# Altium PCB VCU_PCB.PcbDoc
Units mm, origin at the board's own origin, x right, y up, seen from the top; angles counter-clockwise.
Board outline 94 x 87 mm, 4 copper layers (Top Layer, Layer 1, Layer 2, Bottom Layer), stack 0.603 mm thick; 130 components, 89 nets, 417 pads, 70 vias.
Unrouted connection lines stored in the file: 2.
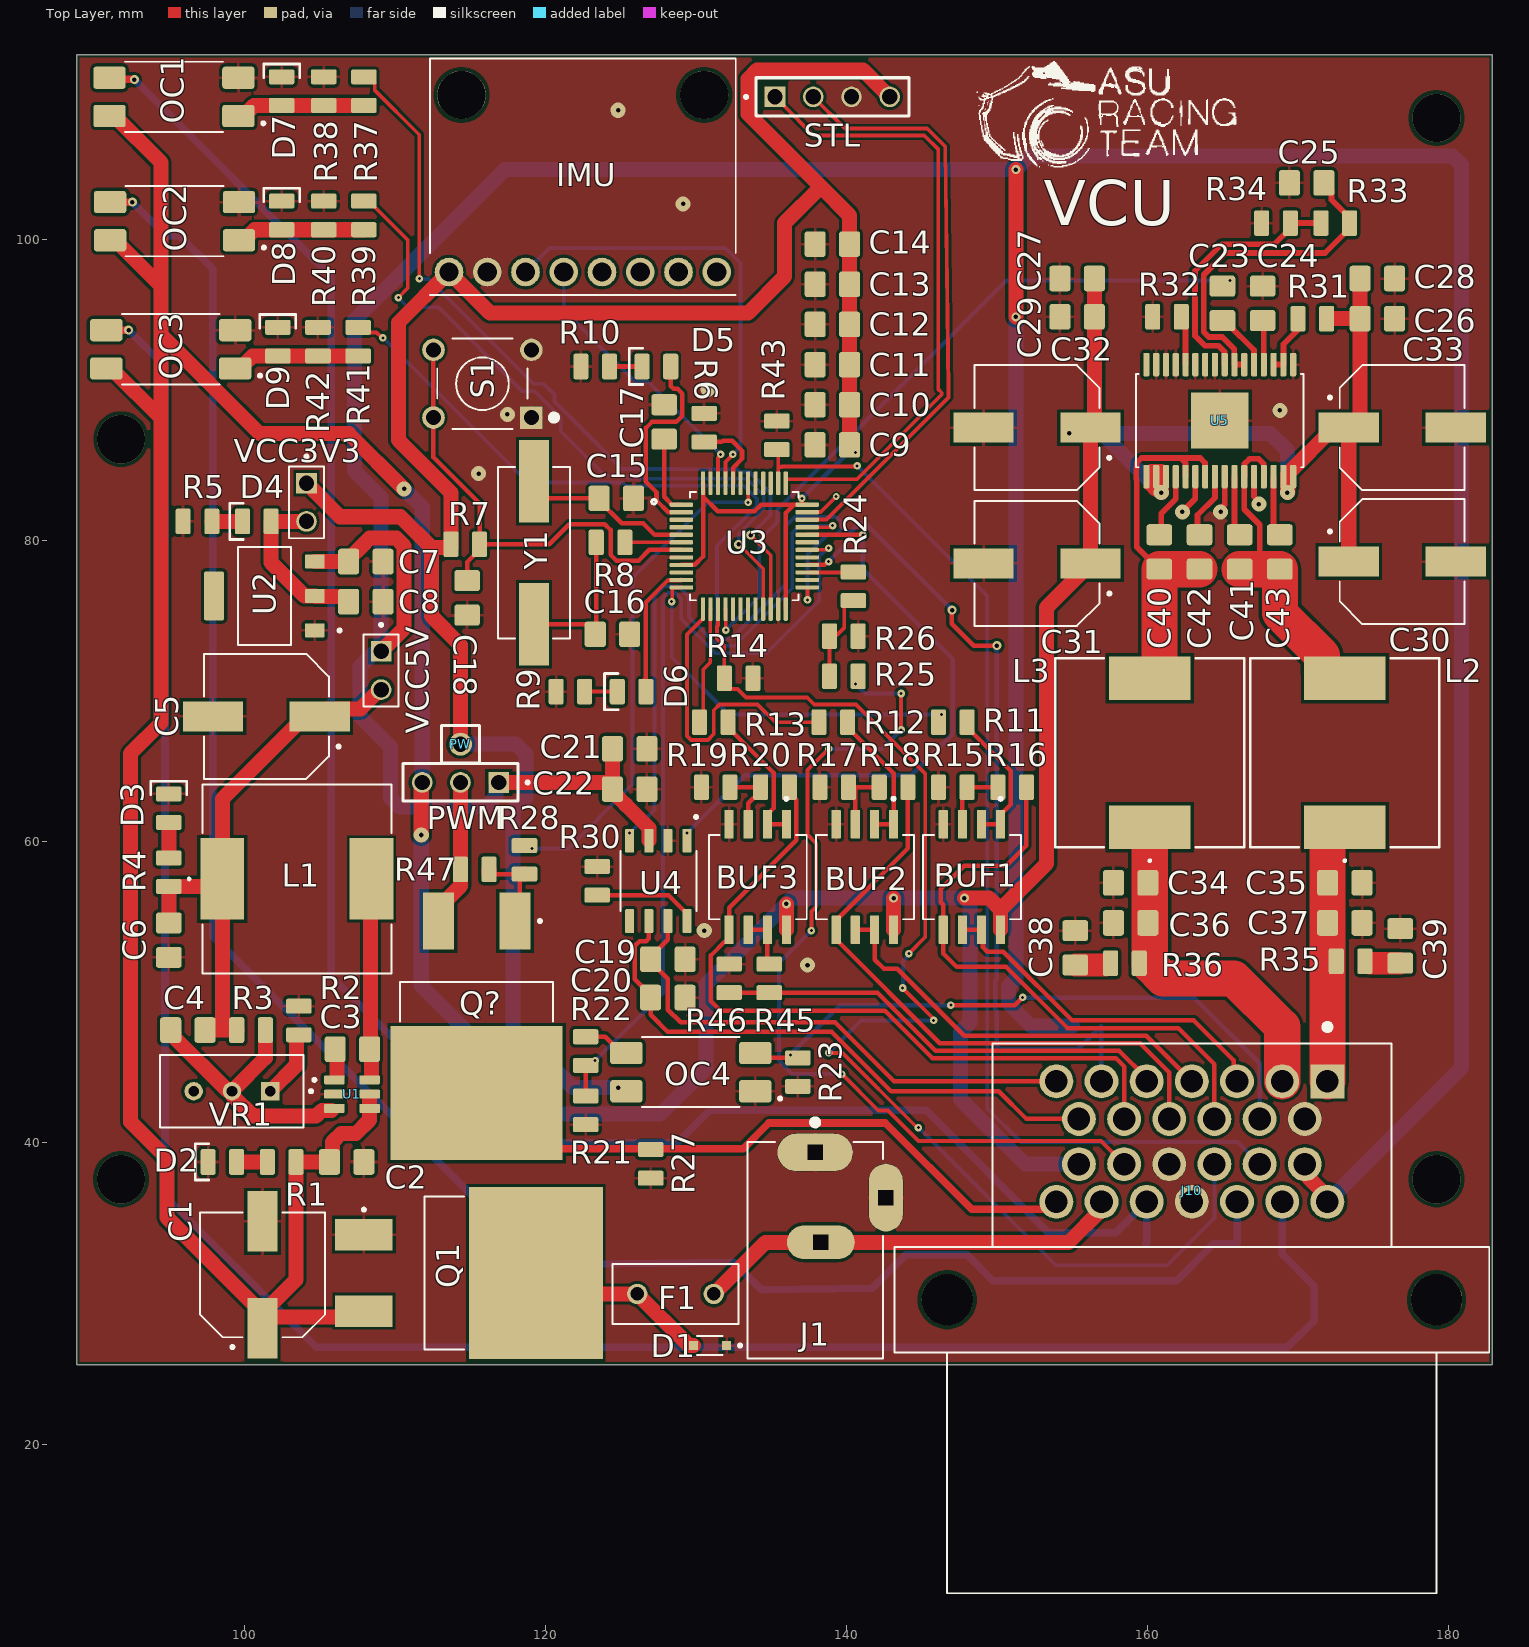
[diagram p0: Top Layer view]
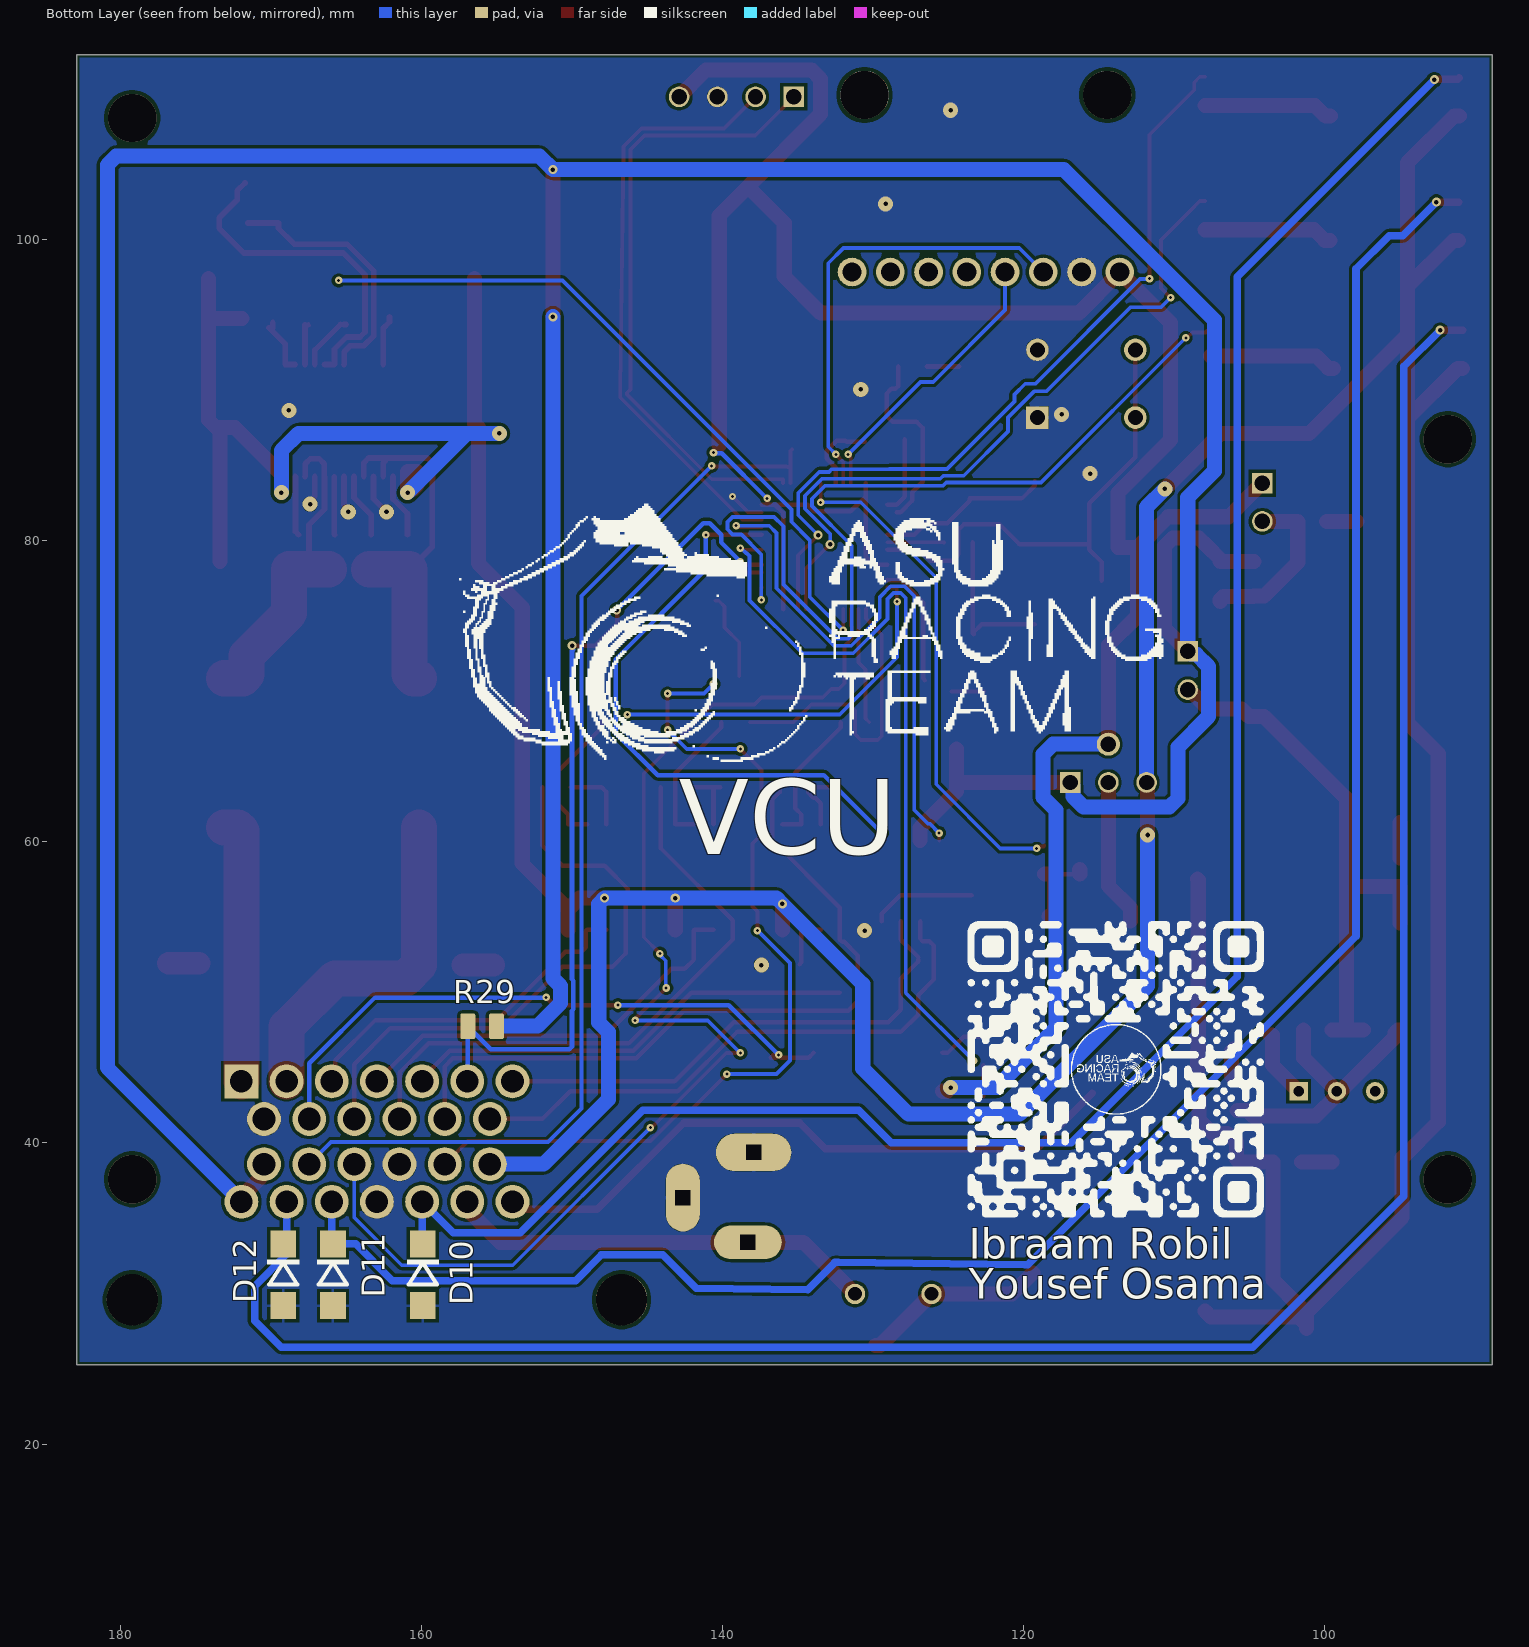
[diagram p1: Bottom Layer view, seen from below]
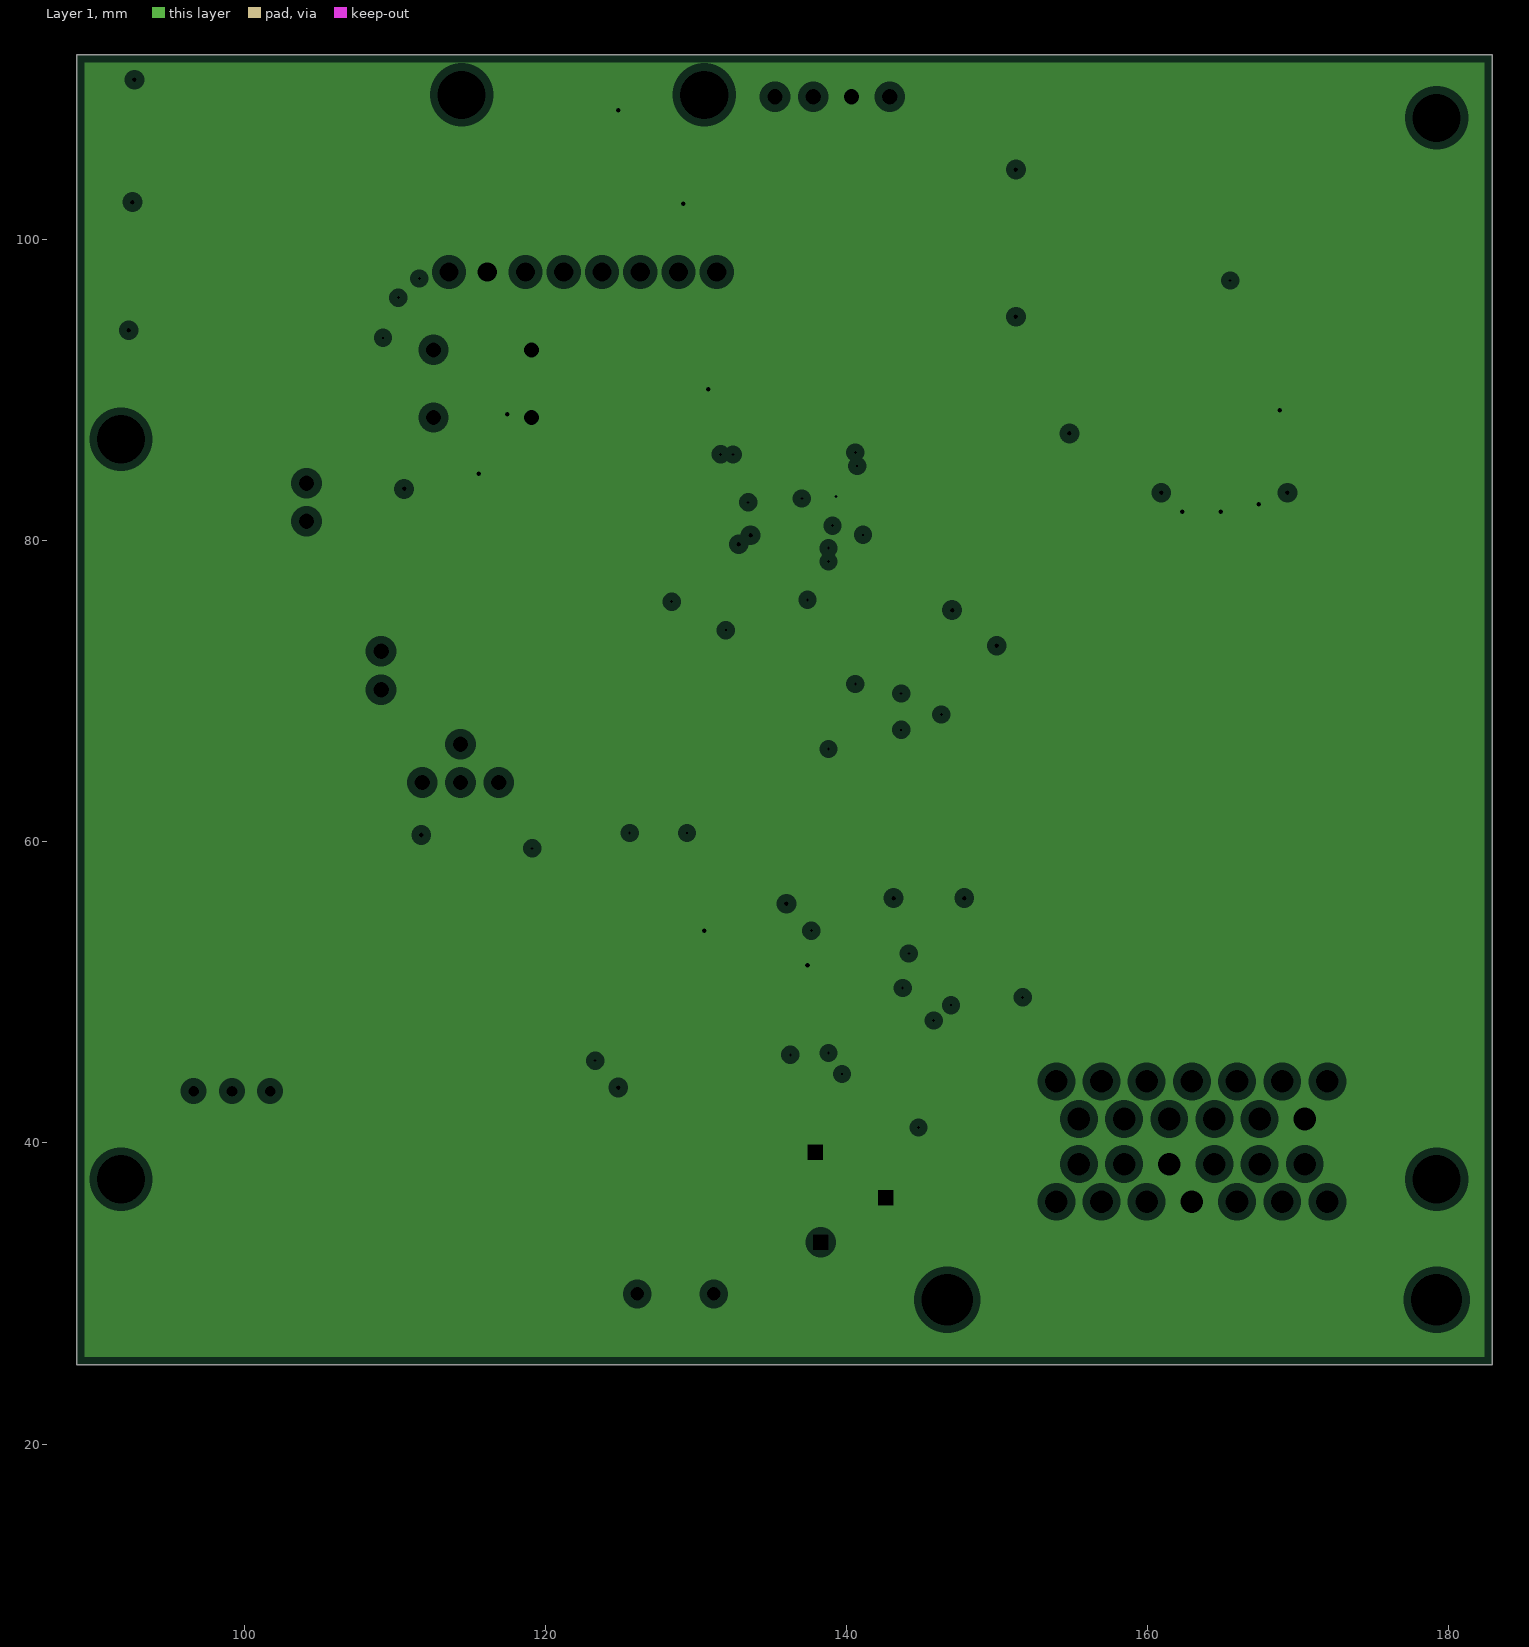
[diagram p2: Layer 1, clearances drawn from the general rule]
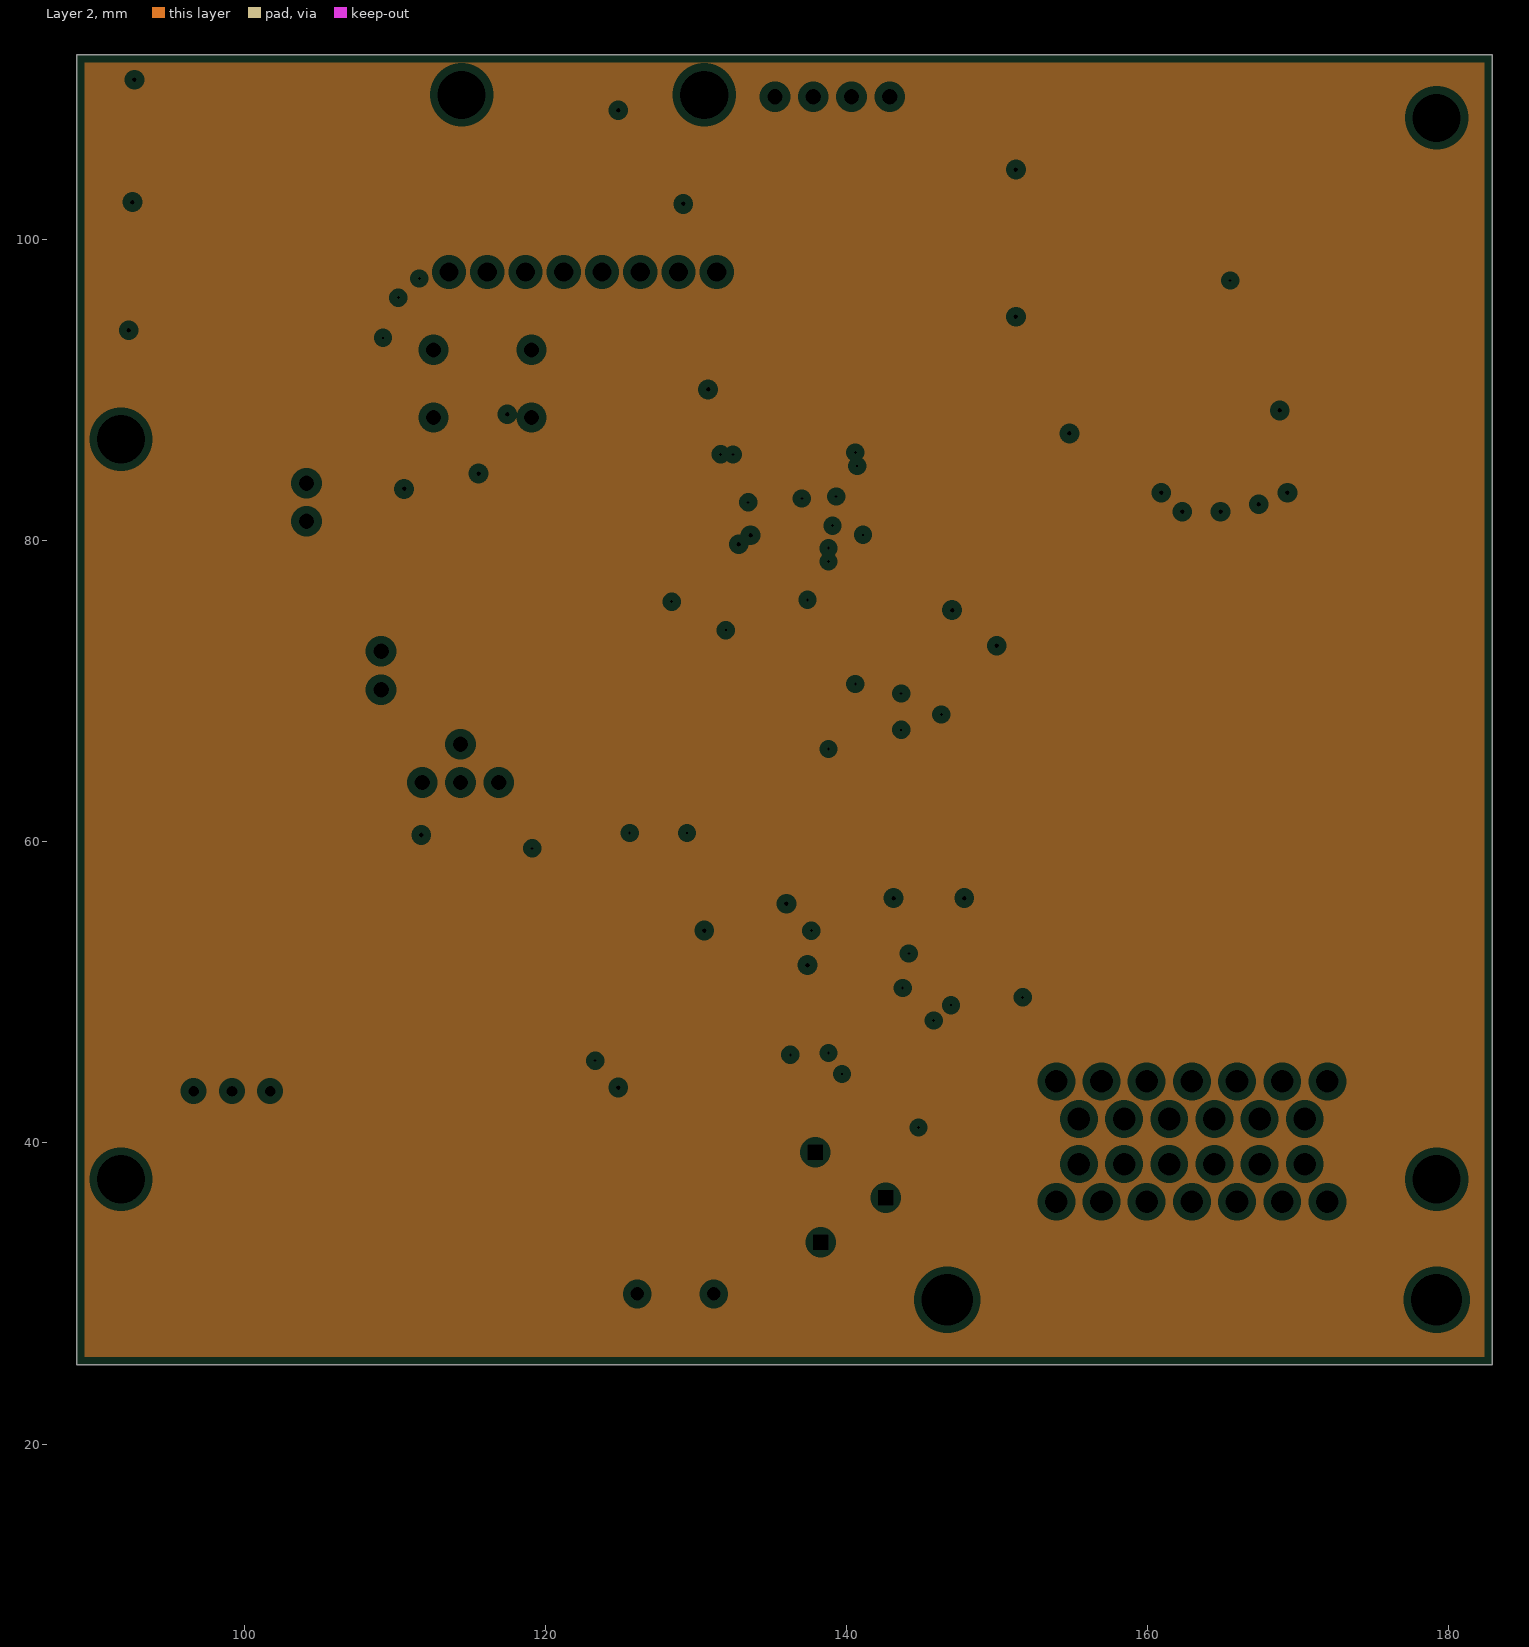
[diagram p3: Layer 2, clearances drawn from the general rule]
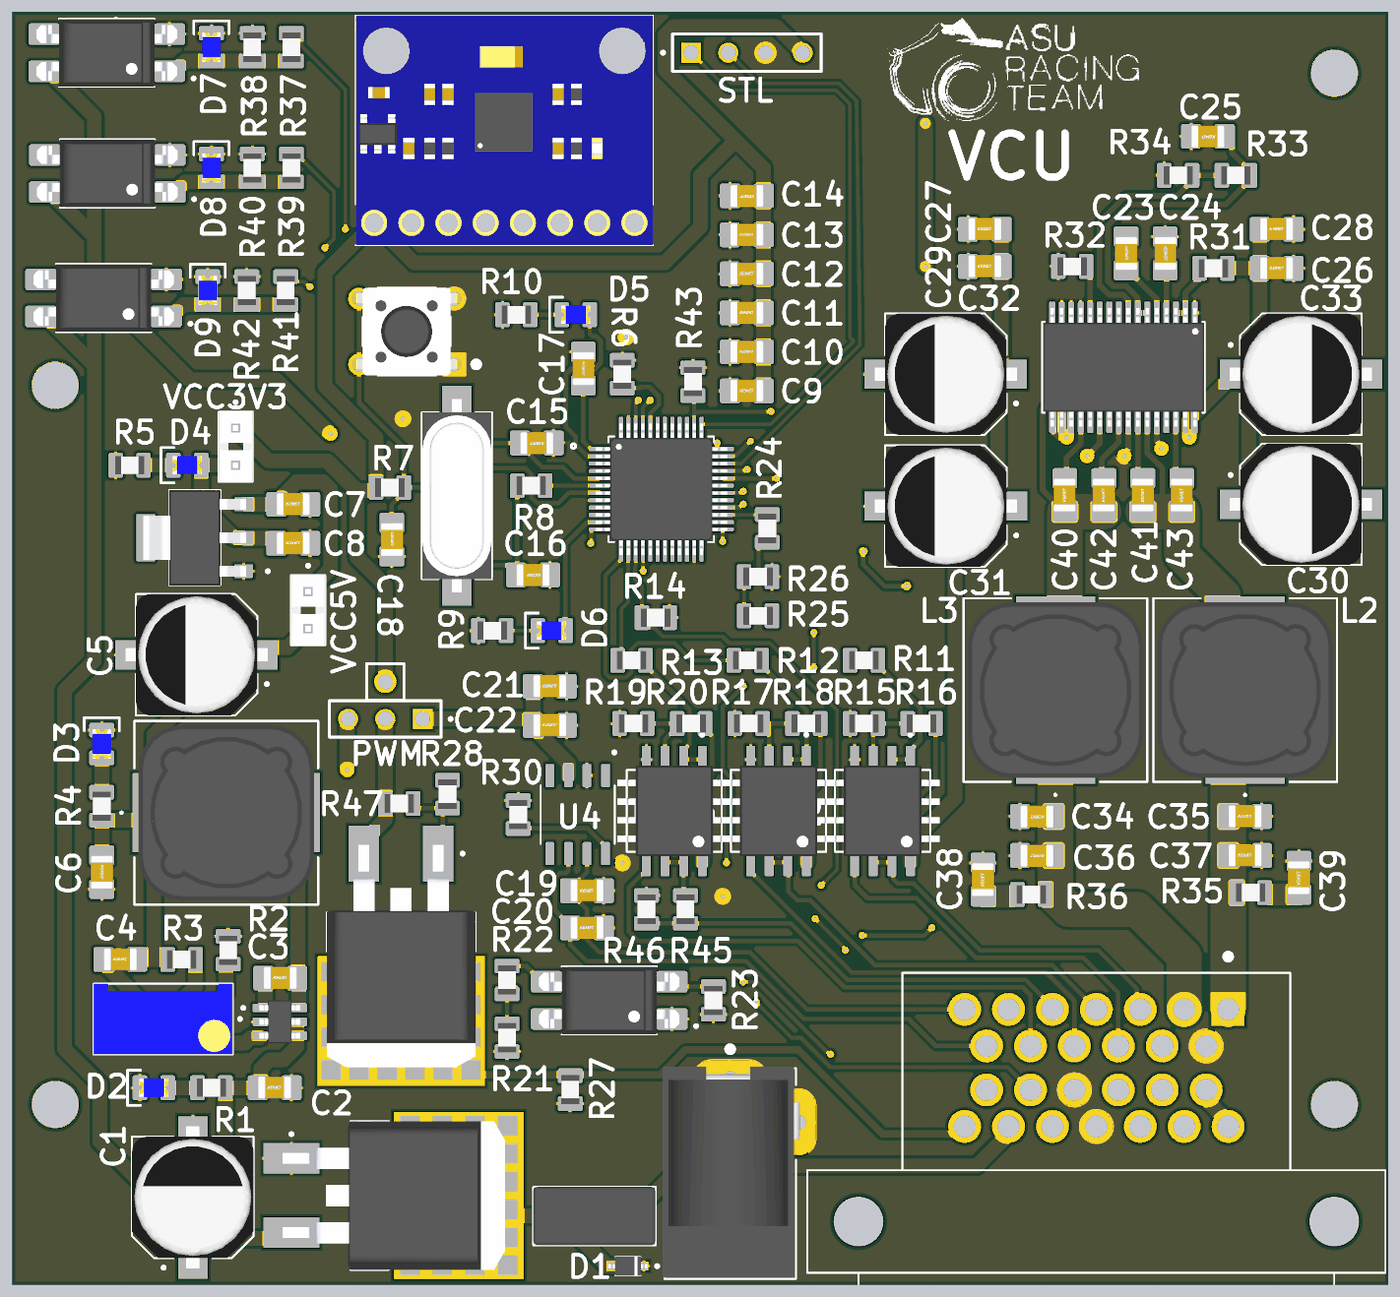
[diagram p4: 3D render of the assembled board from above, using the file's embedded part models]

## Layer stack, top to bottom
Top Solder: solder mask 0.0102, Solder Resist, Dk 4
Top Layer: signal copper 0.0356
Dielectric 2: prepreg 0.0711, PP-006, Dk 4.1
Layer 1: plane copper 0.035, net GND
Dielectric 1: dielectric 0.32, FR-4, Dk 4.8
Layer 2: plane copper 0.035, net GND
Dielectric 3: prepreg 0.0711, PP-006, Dk 4.1
Bottom Layer: signal copper 0.0356
Bottom Solder: solder mask 0.0102, Solder Resist, Dk 4

## Board outline
88.88,25.273 88.88,112.273 182.88,112.273 182.88,25.273

## Design rules (kind name [scope] priority, off if disabled: settings)
BoardOutlineClearance [All] p1: gap=0.2 ignorepadtopadclearanceinfootprint=FALSE
Clearance ClearanceMidLayer1 [OnLayer('Mid Layer 1') Or IsVia Or IsThruPin vs OnLayer('Mid Layer 1')] p1: gap=0.102 ignorepadtopadclearanceinfootprint=FALSE except(0.127: Arc-Via Track-Via SMDPad-Via THPad-Via Via-Via Via-Fill Via-Poly Via-Region Via-Text; 0.25: Arc-Hole Track-Hole SMDPad-Hole THPad-Hole Via-Hole Fill-Hole Poly-Hole Region-Hole Text-Hole)
Clearance ClearanceTopLayer [OnLayer('Top Layer') Or IsVia Or IsThruPin vs OnLayer('Top Layer') Or IsVia Or IsThruPin] p2: gap=0.203 ignorepadtopadclearanceinfootprint=FALSE except(0.25: Arc-Hole Track-Hole SMDPad-Hole THPad-Hole Via-Hole Fill-Hole Poly-Hole Region-Hole Text-Hole)
Clearance ClearanceBottomLayer [OnLayer('Bottom Layer') Or IsVia Or IsThruPin vs OnLayer('Bottom Layer') Or IsVia Or IsThruPin] p3: gap=0.203 ignorepadtopadclearanceinfootprint=FALSE except(0.25: Arc-Hole Track-Hole SMDPad-Hole THPad-Hole Via-Hole Fill-Hole Poly-Hole Region-Hole Text-Hole)
Clearance ClearanceMidLayer2 [OnLayer('Mid Layer 2') Or IsVia Or IsThruPin vs OnLayer('Mid Layer 2')] p4: gap=0.102 ignorepadtopadclearanceinfootprint=FALSE except(0.127: Arc-Via Track-Via SMDPad-Via THPad-Via Via-Via Via-Fill Via-Poly Via-Region Via-Text; 0.25: Arc-Hole Track-Hole SMDPad-Hole THPad-Hole Via-Hole Fill-Hole Poly-Hole Region-Hole Text-Hole)
ComponentClearance [All] p1: gap=0.102 collisioncheckmode=3 verticalgap=0.102 showdistances=TRUE
DiffPairsRouting [All] p1: maxlimit=0.203 minlimit=0.203 mostfreqgap=0.203 toplayer_minwidth=0.203 toplayer_maxwidth=1816.048 toplayer_prefwidth=0.203 bottomlayer_minwidth=0.203 bottomlayer_maxwidth=1816.048 bottomlayer_prefwidth=0.203 maxuncoupledlength=12.7
Height [All] p1: minheight=0 maxheight=1816.048 prefheight=12.7
HoleSize [All] p1: absolutevalues=TRUE maxlimit=6.3 minlimit=0.2 maxpercent=80.000 minpercent=20.000
HoleToHoleClearance [All] p1: gap=0.25 allowstackedmicrovias=FALSE
MinimumAnnularRing [All] p1: minimumring=0.076
MinimumSolderMaskSliver [All] p1: minsoldermaskwidth=0
PlaneClearance PlaneClearanceMidLayer1 [OnLayer('Mid Layer 1')] p1: clearance=0.102
PlaneClearance PlaneClearanceMidLayer2 [OnLayer('Mid Layer 2')] p2: clearance=0.102
PlaneClearance PlaneClearanceTopLayer [OnLayer('Top Layer')] p3: clearance=0.203
PlaneClearance PlaneClearanceBottomLayer [OnLayer('Bottom Layer')] p4: clearance=0.203
PlaneConnect PlaneConnectPowerPads [InPadClass('PowerPads')] p1: planeconnectstyle=Direct reliefexpansion=0.508 reliefentries=4 reliefconductorwidth=0.254 reliefairgap=0.254
PlaneConnect PlaneConnectTopLayer [OnLayer('Top Layer')] p2: pad.planeconnectstyle=Relief pad.reliefexpansion=0.3 pad.reliefentries=4 pad.reliefconductorwidth=0.203 pad.reliefairgap=0.203 via.planeconnectstyle=Direct via.reliefexpansion=0.3 via.reliefentries=4 via.reliefconductorwidth=0.127 via.reliefairgap=0.127
PlaneConnect PlaneConnectBottomLayer [OnLayer('Bottom Layer')] p3: pad.planeconnectstyle=Relief pad.reliefexpansion=0.3 pad.reliefentries=4 pad.reliefconductorwidth=0.203 pad.reliefairgap=0.203 via.planeconnectstyle=Direct via.reliefexpansion=0.3 via.reliefentries=4 via.reliefconductorwidth=0.127 via.reliefairgap=0.127
PlaneConnect PlaneConnectMidLayer1 [OnLayer('Mid Layer 1')] p4: pad.planeconnectstyle=Relief pad.reliefexpansion=0.3 pad.reliefentries=4 pad.reliefconductorwidth=0.102 pad.reliefairgap=0.102 via.planeconnectstyle=Direct via.reliefexpansion=0.3 via.reliefentries=4 via.reliefconductorwidth=0.127 via.reliefairgap=0.127
PlaneConnect PlaneConnectMidLayer2 [OnLayer('Mid Layer 2')] p5: pad.planeconnectstyle=Relief pad.reliefexpansion=0.3 pad.reliefentries=4 pad.reliefconductorwidth=0.102 pad.reliefairgap=0.102 via.planeconnectstyle=Direct via.reliefexpansion=0.3 via.reliefentries=4 via.reliefconductorwidth=0.127 via.reliefairgap=0.127
PolygonConnect PolygonConnectPowerPads [All vs (InPadClass('PowerPads'))] p1: connectstyle=Direct reliefconductorwidth=0.254 reliefentries=4 polygonreliefangle="90 Angle" airgapwidth=0.254
PolygonConnect PolygonConnectMidLayer1 [OnLayer('Mid Layer 1') vs OnLayer('Mid Layer 1')] p2: thpad.connectstyle=Relief thpad.reliefconductorwidth=0.102 thpad.reliefentries=4 thpad.polygonreliefangle="90 Angle" thpad.airgapwidth=0.102 smdpad.connectstyle=Relief smdpad.reliefconductorwidth=0.102 smdpad.reliefentries=4 smdpad.polygonreliefangle="90 Angle" smdpad.airgapwidth=0.102 via.connectstyle=Direct via.reliefconductorwidth=0.127 via.reliefentries=4 via.polygonreliefangle="90 Angle" via.airgapwidth=0.127
PolygonConnect PolygonConnectMidLayer2 [OnLayer('Mid Layer 2') vs OnLayer('Mid Layer 2')] p3: thpad.connectstyle=Relief thpad.reliefconductorwidth=0.102 thpad.reliefentries=4 thpad.polygonreliefangle="90 Angle" thpad.airgapwidth=0.102 smdpad.connectstyle=Relief smdpad.reliefconductorwidth=0.102 smdpad.reliefentries=4 smdpad.polygonreliefangle="90 Angle" smdpad.airgapwidth=0.102 via.connectstyle=Direct via.reliefconductorwidth=0.127 via.reliefentries=4 via.polygonreliefangle="90 Angle" via.airgapwidth=0.127
PolygonConnect PolygonConnectTopLayer [OnLayer('Top Layer') vs OnLayer('Top Layer')] p4: thpad.connectstyle=Relief thpad.reliefconductorwidth=0.203 thpad.reliefentries=4 thpad.polygonreliefangle="90 Angle" thpad.airgapwidth=0.203 smdpad.connectstyle=Relief smdpad.reliefconductorwidth=0.203 smdpad.reliefentries=4 smdpad.polygonreliefangle="90 Angle" smdpad.airgapwidth=0.203 via.connectstyle=Direct via.reliefconductorwidth=0.127 via.reliefentries=4 via.polygonreliefangle="90 Angle" via.airgapwidth=0.127
PolygonConnect PolygonConnectBottomLayer [OnLayer('Bottom Layer') vs OnLayer('Bottom Layer')] p5: thpad.connectstyle=Relief thpad.reliefconductorwidth=0.203 thpad.reliefentries=4 thpad.polygonreliefangle="90 Angle" thpad.airgapwidth=0.203 smdpad.connectstyle=Relief smdpad.reliefconductorwidth=0.203 smdpad.reliefentries=4 smdpad.polygonreliefangle="90 Angle" smdpad.airgapwidth=0.203 via.connectstyle=Direct via.reliefconductorwidth=0.127 via.reliefentries=4 via.polygonreliefangle="90 Angle" via.airgapwidth=0.127
RoutingVias [All] p1: holewidth=0.2 width=0.45 viastyle="Through Hole" minholewidth=0.2 minwidth=0.45 maxholewidth=6.3 maxwidth=6.55
SilkToSilkClearance [All] p1: silktosilkclearance=0
SilkToSolderMaskClearance [IsPad] p1: minsilkscreentomaskgap=0.102 clearancetoexposedcopper=TRUE
SolderMaskExpansion [All] p1: expansion=0.075 istentingtop=FALSE
Width [All] p1: maxlimit=1816.048 minlimit=0.203 preferedwidth=0.203 minimp=50.000000 maximp=50.000000 favimp=50.000000
20 further rules are at their usual default settings.

## Components (designator, comment, footprint, x,y, rotation, side; value= is the part's Value field where it differs from the comment)
BUF1 "LM358PSR" SOIC127P780X200-8N 148.336,57.658 r270 top
BUF2 "LM358PSR" SOIC127P780X200-8N 141.224,57.658 r270 top
BUF3 "LM358PSR" SOIC127P780X200-8N 134.112,57.658 r270 top
C1 "270uF 35V" CAP_EEEFT1E471AP 101.219,31.242 r90 top
C2 "100nF" CAP_0805 106.807,38.735 r0 top
C3 "22nF" CAP_0805 107.188,46.228 r0 top
C4 "22uF" CAP_0805 96.266,47.498 r0 top
C5 "470uF 35V" CAP_EEEFT1E471AP 101.473,68.326 r180 top
C6 "100nF" CAP_0805 94.996,53.467 r270 top
C7 "2.2uF" CAP_0805 108.077,78.613 r0 top
C8 "2.2uF" CAP_0805 108.077,75.946 r0 top
C9 "100nF" CAP_0805 139.065,86.36 r0 top
C10 "100nF" CAP_0805 139.065,89.027 r0 top
C11 "100nF" CAP_0805 139.065,91.694 r0 top
C12 "100nF" CAP_0805 139.065,94.361 r0 top
C13 "100nF" CAP_0805 139.065,97.028 r0 top
C14 "2.2uF" CAP_0805 139.065,99.695 r180 top
C15 "100nF" CAP_0805 124.714,82.804 r180 top
C16 "100nF" CAP_0805 124.46,73.787 r180 top
C17 "100nF" CAP_0805 127.889,87.884 r270 top
C18 "100nF" CAP_0805 114.808,76.2 r270 top
C19 "20pF" CAP_0805 128.143,52.197 r0 top
C20 "20pF" CAP_0805 128.143,49.657 r0 top
C21 "100nF" CAP_0805 125.603,66.167 r0 top
C22 "100nF" CAP_0805 125.603,63.5 r0 top
C23 "1uF" CAP_0805 164.973,95.758 r270 top
C24 "1uF" CAP_0805 167.64,95.758 r270 top
C25 "1uF" CAP_0805 170.561,103.759 r180 top
C26 "1nF" CAP_0805 175.26,94.742 r0 top
C27 "1nF" CAP_0805 155.321,97.409 r0 top
C28 "100nF" CAP_0805 175.26,97.409 r0 top
C29 "100nF" CAP_0805 155.321,94.869 r0 top
C30 "220uF 35V" CAP_EEEFT1E471AP 176.911,78.613 r0 top
C31 "330uF 35V" CAP_EEEFT1E471AP 152.66,78.486 r180 top
C32 "220uF 35V" CAP_EEEFT1E471AP 152.654,87.503 r180 top
C33 "330uF 35V" CAP_EEEFT1E471AP 176.911,87.503 r0 top
C34 "1uF" CAP_0805 158.877,57.277 r180 top
C35 "1uF" CAP_0805 173.101,57.277 r0 top
C36 "1nF" CAP_0805 158.877,54.61 r180 top
C37 "1nF" CAP_0805 173.101,54.61 r0 top
C38 "10nF" CAP_0805 155.194,52.959 r90 top
C39 "10nF" CAP_0805 176.784,53.086 r90 top
C40 "220nF" CAP_0805 160.782,79.248 r90 top
C41 "220nF" CAP_0805 166.116,79.248 r90 top
C42 "220nF" CAP_0805 163.449,79.248 r90 top
C43 "220nF" CAP_0805 168.783,79.248 r90 top
D1 "PESD1LIN" DIO_PESD1LIN 130.937,26.543 r180 top
D2 "BLUE" LED_0805_BLUE 98.552,38.735 r0 top
D3 "BLUE" LED_0805_BLUE 94.996,62.23 r270 top
D4 "BLUE" LED_0805_BLUE 100.838,81.28 r0 top
D5 "BLUE" LED_0805_BLUE 127.381,91.567 r0 top
D6 "BLUE" LED_0805_BLUE 125.73,69.977 r0 top
D7 "BLUE" LED_0805_BLUE 102.489,109.855 r270 top
D8 "BLUE" LED_0805_BLUE 102.489,101.6 r270 top
D9 "BLUE" LED_0805_BLUE 102.235,93.218 r270 top
D10 "SS34-A" DO-214AC 159.893,31.242 r270 bottom
D11 "SS34-A" DO-214AC 165.862,31.242 r270 bottom
D12 "SS34-A" DO-214AC 169.164,31.242 r270 bottom
F1 "0697H0315-01" FUSRR508W60L835T400H810 128.651,29.972 r180 top